# Altium PCB PM12_CFD.PcbDoc (part 4 of 12)
Units mm, origin at the board's own origin, x right, y up, seen from the top; angles counter-clockwise.
Board outline 96.25 x 362.25 mm, 6 copper layers (Top Layer, Mid-Layer 1, Mid-Layer 2, Mid-Layer 3, Mid-Layer 4, Bottom Layer); 1413 components, 2881 nets, 4503 pads, 1682 vias.
Unrouted connection lines stored in the file: 4.
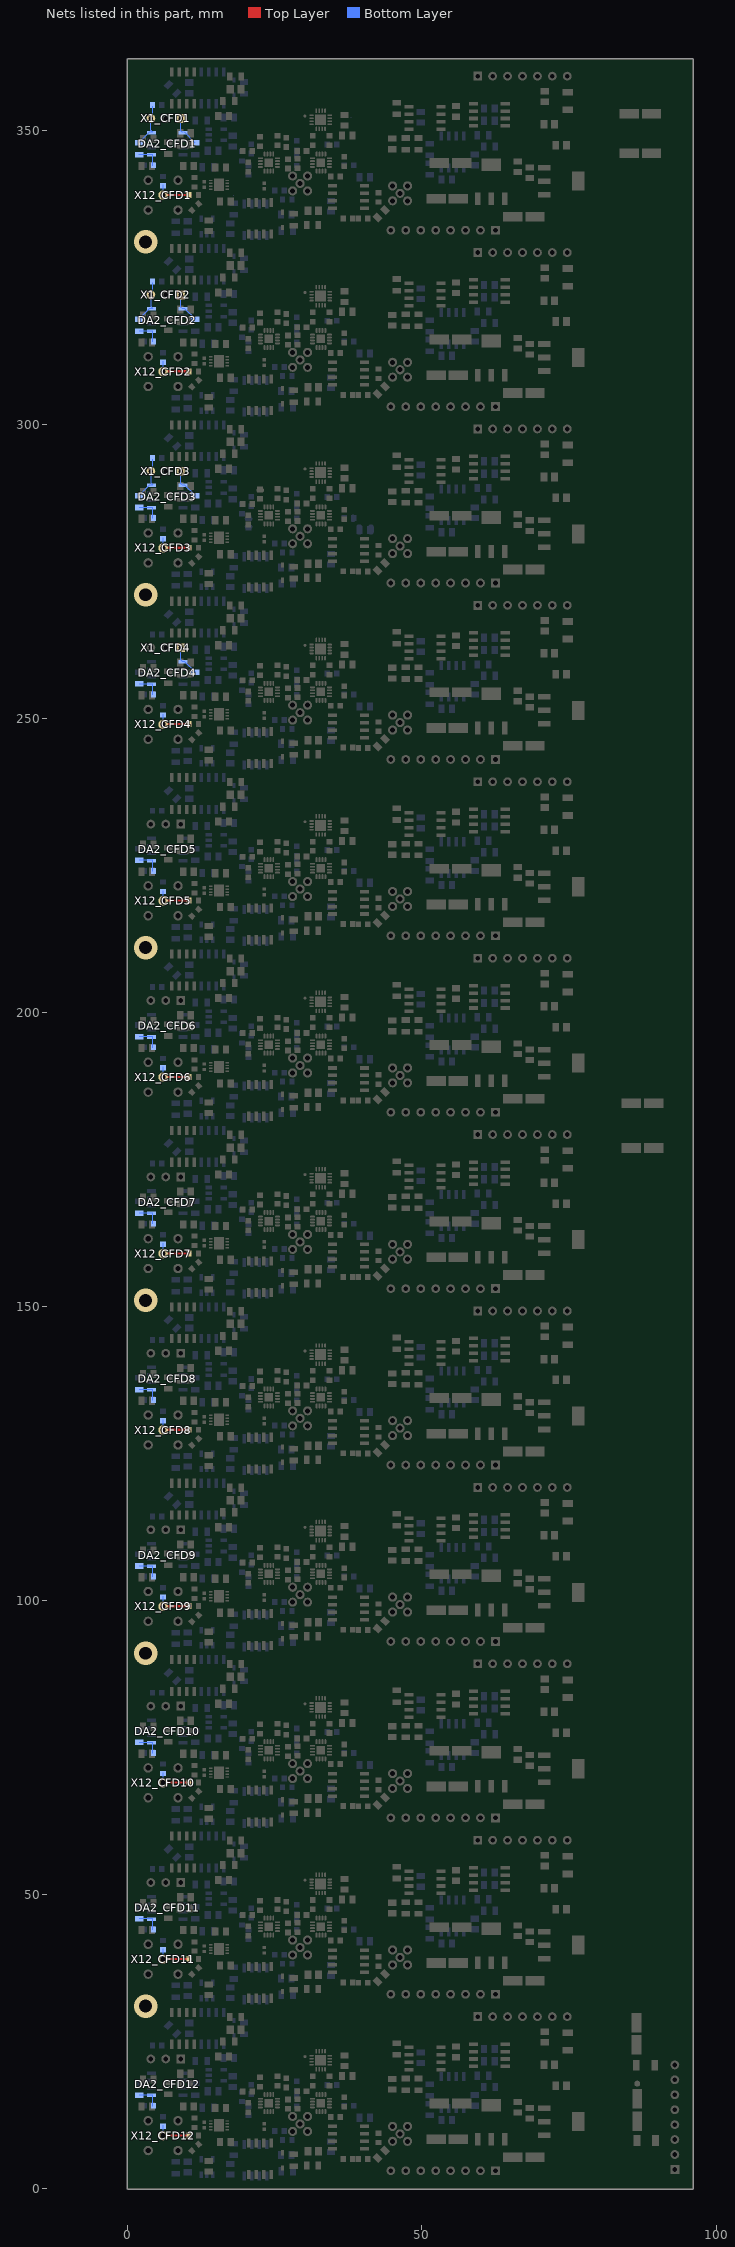
[diagram p8: the nets of this part, all layers, seen from the top]

## Part data (continued)
C4_CFD1 C4_CFD2 C4_CFD3 C4_CFD4 C4_CFD5 C4_CFD6 C4_CFD7 C4_CFD8 C4_CFD9 C4_CFD10 C4_CFD11 C4_CFD12 C13_CFD1 C13_CFD2 C13_CFD3 C13_CFD4 C13_CFD5 C13_CFD6 C13_CFD7 C13_CFD8 C13_CFD9 C13_CFD10 C13_CFD11 C13_CFD12: library part CC0805_33PF_200V_1%_NP0, "Non-polarised capacitor", Case=0805, Manufacturer=GENERIC, Manufacturer1 ComponentHeight=1.15mm, Manufacturer1 Example=AVX, Manufacturer1 Part Number=KGQ21HCG2D330FT, Tolerance=±1%, Voltage=200V, Author="CERN DEM HF", Component Type=Standard, CreateDate=15.04.2024, HelpURL=\\cern.ch\dfs\Applications\Altium\Datasheets\CC0805_NP0_AVX_KGQ.pdf, LatestRevisionDate=15.04.2024, Manufacturer Part Number=CC0805_33PF_200V_1%_NP0, Mounted=Yes, Part Description="SMD Multilayer Chip Ceramic Capacitor", Part Number=CC0805_33PF_200V_1%_NP0, Pin Count=2, Sense=No, SMD=Yes, Socket=No, Status=None, TC=C0G/NP0
C5_CFD1 C5_CFD2 C5_CFD3 C5_CFD4 C5_CFD5 C5_CFD6 C5_CFD7 C5_CFD8 C5_CFD9 C5_CFD10 C5_CFD11 C5_CFD12: library part CC0805_1NF_25V_1%_C0G, "Non-polarised capacitor", Case=0805, Manufacturer=GENERIC, Manufacturer1 ComponentHeight=0.88mm, Manufacturer1 Example=KEMET, Manufacturer1 Part Number=C0805C102F3GACTU, Tolerance=±1%, Voltage=25V, Author="CERN DEM JLC", Component Type=Standard, CreateDate=11.03.2015, HelpURL="\\cern.ch\dfs\Applications\Altium\Datasheets\CC0805_C0G_KEMET_(Commercial Grade).pdf", LatestRevisionDate=11.03.2015, Manufacturer Part Number=CC0805_1NF_25V_1%_C0G, Mounted=Yes, Part Description="SMD Multilayer Chip Ceramic Capacitor", Part Number=CC0805_1NF_25V_1%_C0G, Pin Count=2, Sense=No, SMD=Yes, Socket=No, Status=None, TC=C0G/NP0
C6_CFD1 C6_CFD2 C6_CFD3 C6_CFD4 C6_CFD5 C6_CFD6 C6_CFD7 C6_CFD8 C6_CFD9 C6_CFD10 C6_CFD11 C6_CFD12: library part CC0805_10NF_50V_5%_C0G, "Non-polarised capacitor", Case=0805, Manufacturer=GENERIC, Manufacturer1 ComponentHeight=0.88mm, Manufacturer1 Example=KEMET, Manufacturer1 Part Number=C0805C103J5GACTU, Tolerance=±5%, Voltage=50V, Author="CERN DEM JLC", Component Type=Standard, CreateDate=02.02.2011, HelpURL="\\cern.ch\dfs\Applications\Altium\Datasheets\CC0805_C0G_KEMET_(Commercial Grade).pdf", LatestRevisionDate=22.04.2015, Manufacturer Part Number=CC0805_10NF_50V_5%_C0G, Mounted=Yes, Part Description="SMD Multilayer Chip Ceramic Capacitor", Part Number=CC0805_10NF_50V_5%_C0G, Pin Count=2, Sense=No, SMD=Yes, Socket=No, Status=None, TC=C0G/NP0
C7_CFD1 C7_CFD2 C7_CFD3 C7_CFD4 C7_CFD5 C7_CFD6 C7_CFD7 C7_CFD8 C7_CFD9 C7_CFD10 C7_CFD11 C7_CFD12 C9_CFD1 C9_CFD2 C9_CFD3 C9_CFD4 C9_CFD5 C9_CFD6 C9_CFD7 C9_CFD8 C9_CFD9 C9_CFD10 C9_CFD11 C9_CFD12: library part CC0805_4.7UF_16V_10%_X7R, "Non-polarised capacitor", Case=0805, Manufacturer=GENERIC, Manufacturer1 ComponentHeight=1.35mm, Manufacturer1 Example="TAIYO YUDEN", Manufacturer1 Part Number=EMK212B7475KG-T, Tolerance=±10%, Voltage=16V, Author="CERN DEM JLC", Component Type=Standard, CreateDate=16.09.2014, HelpURL=\\cern.ch\dfs\Applications\Altium\Datasheets\CC0805_X7R_TAIYO-YUDEN_HIGH-VALUE.pdf, LatestRevisionDate=16.09.2014, Manufacturer Part Number=CC0805_4.7UF_16V_10%_X7R, Mounted=Yes, Part Description="SMD Multilayer Chip Ceramic Capacitor", Part Number=CC0805_4.7UF_16V_10%_X7R, Pin Count=2, Sense=No, SMD=Yes, Socket=No, Status=Preferred, TC=X7R
C15_CFD1 C15_CFD2 C15_CFD3 C15_CFD4 C15_CFD5 C15_CFD6 C15_CFD7 C15_CFD8 C15_CFD9 C15_CFD10 C15_CFD11 C15_CFD12: library part CC0805_4.7NF_250V_1%_NP0, "Non-polarised capacitor", Case=0805, Manufacturer=GENERIC, Manufacturer1 ComponentHeight=1.45mm, Manufacturer1 Example=MURATA, Manufacturer1 Part Number=GCM21B5C2E472FX01L, Manufacturer Part Number=CC0805_4.7NF_250V_1%_X7R, Tolerance=±1%, Voltage=250V, Author="CERN DEM HF", Component Type=Standard, CreateDate=15.04.2024, HelpURL=\\cern.ch\dfs\Applications\Altium\Datasheets\CC0805_MURATA_GCM21B5C2E472FX01L.pdf, LatestRevisionDate=15.04.2024, Mounted=Yes, Part Description="SMD Multilayer Chip Ceramic Capacitor", Part Number=CC0805_4.7NF_250V_1%_NP0, Pin Count=2, Sense=No, SMD=Yes, Socket=No, Status=None, TC=NP0
C16_CFD1 C16_CFD2 C16_CFD3 C16_CFD4 C16_CFD5 C16_CFD6 C16_CFD7 C16_CFD8 C16_CFD9 C16_CFD10 C16_CFD11 C16_CFD12 C17_CFD1 C17_CFD2 C17_CFD3 C17_CFD4 C17_CFD5 C17_CFD6 C17_CFD7 C17_CFD8 C17_CFD9 C17_CFD10 C17_CFD11 C17_CFD12: library part CC0805_33PF_50V_5%_NP0, "Non-polarised capacitor", Case=0805, Manufacturer=GENERIC, Manufacturer1 ComponentHeight=1.35mm, Manufacturer1 Example=PHYCOMP, Manufacturer1 Part Number=223886115339, Tolerance=±5%, Voltage=50V, Author="CERN DEM JLC", Component Type=Standard, CreateDate=03.12.2007, HelpURL=\\cern.ch\dfs\Applications\Altium\Datasheets\CC0805_NP0_PHYCOMP.pdf, LatestRevisionDate=03.12.2007, Manufacturer Part Number=CC0805_33PF_50V_5%_NP0, Mounted=Yes, Part Description="SMD Multilayer Chip Ceramic Capacitor", Part Number=CC0805_33PF_50V_5%_NP0, Pin Count=2, Sense=No, SMD=Yes, Socket=No, Status=Preferred, TC=C0G/NP0
C18_CFD1 C18_CFD2 C18_CFD3 C18_CFD4 C18_CFD5 C18_CFD6 C18_CFD7 C18_CFD8 C18_CFD9 C18_CFD10 C18_CFD11 C18_CFD12 C23_CFD1 C23_CFD2 C23_CFD3 C23_CFD4 C23_CFD5 C23_CFD6 C23_CFD7 C23_CFD8 C23_CFD9 C23_CFD10 C23_CFD11 C23_CFD12 C25_CFD1 C25_CFD2 C25_CFD3 C25_CFD4 C25_CFD5 C25_CFD6 C25_CFD7 C25_CFD8 C25_CFD9 C25_CFD10 C25_CFD11 C25_CFD12 C27_CFD1 C27_CFD2 C27_CFD3 C27_CFD4 C27_CFD5 C27_CFD6 C27_CFD7 C27_CFD8 C27_CFD9 C27_CFD10 C27_CFD11 C27_CFD12 C28_CFD1 C28_CFD2 C28_CFD3 C28_CFD4 C28_CFD5 C28_CFD6 C28_CFD7 C28_CFD8 C28_CFD9 C28_CFD10 C28_CFD11 C28_CFD12 C31_CFD1 C31_CFD2 C31_CFD3 C31_CFD4 C31_CFD5 C31_CFD6 C31_CFD7 C31_CFD8 C31_CFD9 C31_CFD10 C31_CFD11 C31_CFD12 C32_CFD1 C32_CFD2 C32_CFD3 C32_CFD4 C32_CFD5 C32_CFD6 C32_CFD7 C32_CFD8 C32_CFD9 C32_CFD10 C32_CFD11 C32_CFD12 C33_CFD1 C33_CFD2 C33_CFD3 C33_CFD4 C33_CFD5 C33_CFD6 C33_CFD7 C33_CFD8 C33_CFD9 C33_CFD10 C33_CFD11 C33_CFD12 C35_CFD1 C35_CFD2 C35_CFD3 C35_CFD4 C35_CFD5 C35_CFD6 C35_CFD7 C35_CFD8 C35_CFD9 C35_CFD10 C35_CFD11 C35_CFD12 C36_CFD1 C36_CFD2 C36_CFD3 C36_CFD4 C36_CFD5 C36_CFD6 C36_CFD7 C36_CFD8 C36_CFD9 C36_CFD10 C36_CFD11 C36_CFD12 C39_CFD1 C39_CFD2 C39_CFD3 C39_CFD4 C39_CFD5 C39_CFD6 C39_CFD7 C39_CFD8 C39_CFD9 C39_CFD10 C39_CFD11 C39_CFD12 C40_CFD1 C40_CFD2 C40_CFD3 C40_CFD4 C40_CFD5 C40_CFD6 C40_CFD7 C40_CFD8 C40_CFD9 C40_CFD10 C40_CFD11 C40_CFD12: library part CC0603_220NF_25V_10%_X7R, "Non-polarised capacitor", Case=0603, Manufacturer=GENERIC, Manufacturer1 ComponentHeight=0.87mm, Manufacturer1 Example=KEMET, Manufacturer1 Part Number=C0603C224K3RACTU, Tolerance=±10%, Voltage=25V, Author="CERN DEM JLC", Component Type=Standard, CreateDate=29.10.2014, HelpURL=\\cern.ch\dfs\Applications\Altium\Datasheets\CC0603_X7R_KEMET.pdf, LatestRevisionDate=29.10.2014, Manufacturer Part Number=CC0603_220NF_25V_10%_X7R, Mounted=Yes, Part Description="SMD Multilayer Chip Ceramic Capacitor", Part Number=CC0603_220NF_25V_10%_X7R, Pin Count=2, Sense=No, SMD=Yes, Socket=No, Status=Preferred, TC=X7R
C20 C21 C34 C42_CFD1 C42_CFD2 C42_CFD3 C42_CFD4 C42_CFD5 C42_CFD6 C42_CFD7 C42_CFD8 C42_CFD9 C42_CFD10 C42_CFD11 C42_CFD12 C44 C45 C46 C135_CFD1 C135_CFD2 C135_CFD3 C135_CFD4 C135_CFD5 C135_CFD6 C135_CFD7 C135_CFD8 C135_CFD9 C135_CFD10 C135_CFD11 C135_CFD12 C146_CFD1 C146_CFD2 C146_CFD3 C146_CFD4 C146_CFD5 C146_CFD6 C146_CFD7 C146_CFD8 C146_CFD9 C146_CFD10 C146_CFD11 C146_CFD12: library part CAE530-610_47UF_16V_20%, "Polarised capacitor", Case=C, Manufacturer=CHEMI-CON, Manufacturer Part Number=HHXD160ARA470ME61G, Tolerance=±20%, Voltage=16V, Author="CERN DEM HF", Component Type=Standard, ComponentHeight=6.1mm, CreateDate=15.04.2024, HelpURL=\\cern.ch\dfs\Applications\Altium\Datasheets\CAE_CHIMI-CON_HXD.pdf, LatestRevisionDate=15.04.2024, Mounted=Yes, Part Description="Conductive Polymer Hybrid Aluminum Electrolytic Capacitor", Part Number=CAE530-610_47UF_16V_20%, Pin Count=2, Sense=No, SMD=Yes, Socket=No, Status="Not Recommended"
C22_CFD1 C22_CFD2 C22_CFD3 C22_CFD4 C22_CFD5 C22_CFD6 C22_CFD7 C22_CFD8 C22_CFD9 C22_CFD10 C22_CFD11 C22_CFD12: library part CC0805_15NF_50V_10%_X7R, "Non-polarised capacitor", Case=0805, Manufacturer=GENERIC, Manufacturer1 ComponentHeight=1.35mm, Manufacturer1 Example=PHYCOMP, Manufacturer1 Part Number=223858615638, Tolerance=±10%, Voltage=50V, Author="CERN DEM JLC", Component Type=Standard, CreateDate=03.12.2007, HelpURL=\\cern.ch\dfs\Applications\Altium\Datasheets\CC0805_X7R_PHYCOMP.pdf, LatestRevisionDate=03.12.2007, Manufacturer Part Number=CC0805_15NF_50V_10%_X7R, Mounted=Yes, Part Description="SMD Multilayer Chip Ceramic Capacitor", Part Number=CC0805_15NF_50V_10%_X7R, Pin Count=2, Sense=No, SMD=Yes, Socket=No, Status=Preferred, TC=X7R
C47_CFD1 C47_CFD2 C47_CFD3 C47_CFD4 C47_CFD5 C47_CFD6 C47_CFD7 C47_CFD8 C47_CFD9 C47_CFD10 C47_CFD11 C47_CFD12: library part CC1206_4.7UF_25V_10%_X7R, "Non-polarised capacitor", Case=1206, Manufacturer=GENERIC, Manufacturer1 ComponentHeight=1.8mm, Manufacturer1 Example=KEMET, Manufacturer1 Part Number=C1206C475K3RAC, Tolerance=±10%, Voltage=25V, Author="CERN DEM WB", Component Type=Standard, CreateDate=25.07.2018, HelpURL=\\cern.ch\dfs\Applications\Altium\Datasheets\CC1206_X7R_KEMET.pdf, LatestRevisionDate=25.07.2018, Manufacturer Part Number=CC1206_4.7UF_25V_10%_X7R, Mounted=Yes, Part Description="SMD Multilayer Chip Ceramic Capacitor", Part Number=CC1206_4.7UF_25V_10%_X7R, Pin Count=2, Sense=No, SMD=Yes, Socket=No, Status=Preferred, TC=X7R
DA1_CFD1 DA1_CFD2 DA1_CFD3 DA1_CFD4 DA1_CFD5 DA1_CFD6 DA1_CFD7 DA1_CFD8 DA1_CFD9 DA1_CFD10 DA1_CFD11 DA1_CFD12: "200mA, Negative-Output, Low-Dropout Linear Regulator", Case=SOT23-5, Manufacturer=MAXIM, Manufacturer Part Number=MAX1735EUK30, Author="CERN DEM JLC", Bonding=No, Component Type=Standard, ComponentHeight=1.45mm, CreateDate=17.02.2010, Device=MAX1735EUK30+T, HelpURL=\\cern.ch\dfs\Applications\Altium\Datasheets\MAX1735EUK30+T.pdf, LatestRevisionDate=04.04.2022, Mounted=Yes, PackageDescription="SOT23, 0.95mm Pitch; 5 Pin, 1.60mm W X 2.90mm L X 1.45mm H body, IPC Medium Density", Part Description="3V, 200mA, Negative-Output, Low-Dropout Linear Regulator", Part Number=MAX1735EUK30+T, Pin Count=5, PressFit=No, Sense=No, SMD=Yes, Socket=No
DA2_CFD1 DA2_CFD2 DA2_CFD3 DA2_CFD4 DA2_CFD5 DA2_CFD6 DA2_CFD7 DA2_CFD8 DA2_CFD9 DA2_CFD10 DA2_CFD11 DA2_CFD12: "Differential Amplifier", Case=SOIC8, Manufacturer="ANALOG DEVICES", Author="CERN DEM JLC", Bonding=No, Component Type=Standard, ComponentHeight=1.75mm, CreateDate=24.11.2008, Device=AD8138AR, HelpURL=\\cern.ch\dfs\Applications\Altium\Datasheets\AD8138AR.pdf, LatestRevisionDate=24.11.2008, Manufacturer Part Number=AD8138AR, Mounted=Yes, PackageDescription="SOIC 8, Pitch 1.27mm - Body 4x5mm, IPC Medium Density", Part Description="Low Distortion Differential ADC Driver", Part Number=AD8138AR, Pin Count=7, PressFit=No, Sense=No, SMD=Yes, Socket=No, Status="Not recommended"
DA3_CFD1 DA3_CFD2 DA3_CFD3 DA3_CFD4 DA3_CFD5 DA3_CFD6 DA3_CFD7 DA3_CFD8 DA3_CFD9 DA3_CFD10 DA3_CFD11 DA3_CFD12: "150mA Low-Noise Low-Dropout Regulator Whit Shutdown", Case=SOT23-5, Manufacturer="TEXAS INSTRUMENTS", Author="CERN DEM HF", Bonding=No, Component Type=Standard, ComponentHeight=1.45mm, CreateDate=16.04.2024, Device=LP2985AIM5-2.5, HelpURL=\\cern.ch\dfs\Applications\Altium\Datasheets\LP2985AIM5.pdf, LatestRevisionDate=16.04.2024, Manufacturer Part Number=LP2985AIM5-2.5, Mounted=Yes, PackageDescription="SOT23, 0.95mm Pitch; 5 Pin, 1.60mm W X 2.90mm L X 1.45mm H body, IPC Medium Density", Part Description="2.5V, 150mA Low-Noise Low-Dropout Regulator Whit Shutdown", Part Number=LP2985AIM5-2.5, Pin Count=5, PressFit=No, Sense=No, SMD=Yes, Socket=No
DA4_CFD1 DA4_CFD2 DA4_CFD3 DA4_CFD4 DA4_CFD5 DA4_CFD6 DA4_CFD7 DA4_CFD8 DA4_CFD9 DA4_CFD10 DA4_CFD11 DA4_CFD12 DA20_CFD1 DA20_CFD2 DA20_CFD3 DA20_CFD4 DA20_CFD5 DA20_CFD6 DA20_CFD7 DA20_CFD8 DA20_CFD9 DA20_CFD10 DA20_CFD11 DA20_CFD12: "Operational Amplifier", Case=SOIC8, Manufacturer="ANALOG DEVICES", Manufacturer Part Number=AD8671AR, Author="CERN DEM JLC", Bonding=No, Component Type=Standard, ComponentHeight=1.75mm, CreateDate=17.06.2014, Device=AD8671ARZ, HelpURL=\\cern.ch\dfs\Applications\Altium\Datasheets\AD8671ARZ.pdf, LatestRevisionDate=31.03.2022, Mounted=Yes, PackageDescription="SOIC 8, Pitch 1.27mm - Body 4x5mm, IPC Medium Density", Part Description="Precision, Very Low Noise, Low Input Bias Current Operational Amplifier", Part Number=AD8671ARZ, Pin Count=8, PressFit=No, Sense=No, SMD=Yes, Socket=No
DA5_CFD1 DA5_CFD2 DA5_CFD3 DA5_CFD4 DA5_CFD5 DA5_CFD6 DA5_CFD7 DA5_CFD8 DA5_CFD9 DA5_CFD10 DA5_CFD11 DA5_CFD12 DA6_CFD1 DA6_CFD2 DA6_CFD3 DA6_CFD4 DA6_CFD5 DA6_CFD6 DA6_CFD7 DA6_CFD8 DA6_CFD9 DA6_CFD10 DA6_CFD11 DA6_CFD12: "Operational Amplifier", Case=SOIC8, Manufacturer="ANALOG DEVICES", Author="CERN DEM HF", Bonding=No, Component Type=Standard, ComponentHeight=1.75mm, CreateDate=15.04.2024, Device=AD8055AR, HelpURL=\\cern.ch\dfs\Applications\Altium\Datasheets\AD8055.pdf, LatestRevisionDate=15.04.2024, Manufacturer Part Number=AD8055AR, Mounted=Yes, PackageDescription="SOIC 8, Pitch 1.27mm - Body 4x5mm, IPC Medium Density", Part Description="Low Cost, 300 MHz Voltage Feedback Amplifier", Part Number=AD8055AR, Pin Count=8, PressFit=No, Sense=No, SMD=Yes, Socket=No
DA7_CFD1 DA7_CFD2 DA7_CFD3 DA7_CFD4 DA7_CFD5 DA7_CFD6 DA7_CFD7 DA7_CFD8 DA7_CFD9 DA7_CFD10 DA7_CFD11 DA7_CFD12: "Ultra-Low Noise, High-Speed Operational Amplifier with Shutdown", Case=SON8, Manufacturer="TEXAS INSTRUMENTS", Author="CERN DEM HF", Bonding=No, Component Type=Standard, ComponentHeight=0.8mm, CreateDate=12.06.2023, Device=LMH6629SDE, HelpURL=\\cern.ch\dfs\Applications\Altium\Datasheets\LMH6629.pdf, LatestRevisionDate=12.06.2023, Manufacturer Part Number=LMH6629SDE, Mounted=Yes, PackageDescription="TEXAS Case Style NGQ(WSON-N9), SON, 0.50mm Pitch, Square; 8 Pin, 3.00mm L X 3.00mm W X 0.80mm H body (w/Thermal Tab 1.70 X 2.10mm)", Part Description="Ultra-Low Noise, High-Speed Operational Amplifier with Shutdown", Part Number=LMH6629SDE, Pin Count=9, PressFit=No, Sense=No, SMD=Yes, Socket=No
DA8_CFD1 DA8_CFD2 DA8_CFD3 DA8_CFD4 DA8_CFD5 DA8_CFD6 DA8_CFD7 DA8_CFD8 DA8_CFD9 DA8_CFD10 DA8_CFD11 DA8_CFD12: "Operational Amplifier", Case=SOIC8, Manufacturer="TEXAS INSTRUMENTS", Author="CERN DEM HF", Bonding=No, Component Type=Standard, ComponentHeight=1.1mm, CreateDate=06.05.2024, Device=THS3201D, HelpURL=\\cern.ch\dfs\Applications\Altium\Datasheets\THS3201.pdf, LatestRevisionDate=06.05.2024, Manufacturer Part Number=THS3201D, Mounted=Yes, PackageDescription="SOIC 8, Pitch 1.27mm - Body 4x5mm, IPC Medium Density", Part Description="1.8GHz, Low Distorsion, Current-Feedback Amplifier", Part Number=THS3201D, Pin Count=9, PressFit=No, Sense=No, SMD=Yes, Socket=No, Status="Not Recommended", Status Comment="Not Recommended for New Design"
DA9_CFD1 DA9_CFD2 DA9_CFD3 DA9_CFD4 DA9_CFD5 DA9_CFD6 DA9_CFD7 DA9_CFD8 DA9_CFD9 DA9_CFD10 DA9_CFD11 DA9_CFD12 DA10_CFD1 DA10_CFD2 DA10_CFD3 DA10_CFD4 DA10_CFD5 DA10_CFD6 DA10_CFD7 DA10_CFD8 DA10_CFD9 DA10_CFD10 DA10_CFD11 DA10_CFD12: "Ultrafast SiGe Voltage Comparator", Case=QFN16, Manufacturer="ANALOG DEVICES", Manufacturer Part Number=ADCMP582BCP, Author="CERN DEM MR", Bonding=No, Component Type=Standard, ComponentHeight=0.8mm, CreateDate=23.01.2018, Device=ADCMP582BCPZ, HelpURL=\\cern.ch\dfs\Applications\Altium\Datasheets\ADCMP582BCPZ.pdf, LatestRevisionDate=31.03.2022, Mounted=Yes, PackageDescription="QFN, 0.50mm Pitch, Square; 16 Pin, 3.00mm L X 3.00mm W X 0.80mm H body (w/Thermal Tab 1.45 X 1.45mm), IPC Medium Density", Part Description="Ultrafast SiGe Voltage Comparator", Part Number=ADCMP582BCPZ, Pin Count=17, PressFit=No, Sense=No, SMD=Yes, Socket=No
DA11_CFD1 DA11_CFD2 DA11_CFD3 DA11_CFD4 DA11_CFD5 DA11_CFD6 DA11_CFD7 DA11_CFD8 DA11_CFD9 DA11_CFD10 DA11_CFD11 DA11_CFD12: "3-Terminal Regulator 1=IN 2=GND 3=OUT 4=GND", Case=SOT223, Manufacturer="LINEAR TECHNOLOGY", Author="CERN DEM HF", Bonding=No, Component Type=Standard, ComponentHeight=1.8mm, CreateDate=16.04.2024, Device=LT1129CST-5, HelpURL=\\cern.ch\dfs\Applications\Altium\Datasheets\LT1129.pdf, LatestRevisionDate=16.04.2024, Manufacturer Part Number=LT1129CST-5, Mounted=Yes, PackageDescription="SOT223, 2.30mm Pitch; 4 Pin, 3.70mm W X 6.70mm L X 1.80mm H body, IPC Medium Density", Part Description="5V, 700mA Micropower Low Dropout Regulator with Shutdown", Part Number=LT1129CST-5, Pin Count=4, PressFit=No, Sense=No, SMD=Yes, Socket=No
DA12_CFD1 DA12_CFD2 DA12_CFD3 DA12_CFD4 DA12_CFD5 DA12_CFD6 DA12_CFD7 DA12_CFD8 DA12_CFD9 DA12_CFD10 DA12_CFD11 DA12_CFD12: "3-Terminal Regulator 1=OUT 2=IN 3=GND 4=IN", Case=SOT223, Manufacturer="LINEAR TECHNOLOGY", Author="CERN DEM HF", Bonding=No, Component Type=Standard, ComponentHeight=1.8mm, CreateDate=16.04.2024, Device=LT1175CST-5, HelpURL=\\cern.ch\dfs\Applications\Altium\Datasheets\LT1175.pdf, LatestRevisionDate=16.04.2024, Manufacturer Part Number=LT1175CST-5, Mounted=Yes, PackageDescription="SOT223, 2.30mm Pitch; 4 Pin, 3.70mm W X 6.70mm L X 1.80mm H body, IPC Medium Density", Part Description="5V 500mA Negative Low Dropout Micropower Regulator", Part Number=LT1175CST-5, Pin Count=4, PressFit=No, Sense=No, SMD=Yes, Socket=No
DA13_CFD1 DA13_CFD2 DA13_CFD3 DA13_CFD4 DA13_CFD5 DA13_CFD6 DA13_CFD7 DA13_CFD8 DA13_CFD9 DA13_CFD10 DA13_CFD11 DA13_CFD12: "5V, 500mA Low-Dropout Negative Linear Regulator", Case=SOIC8, Manufacturer="TEXAS INSTRUMENTS", Author="CERN DEM BR", Bonding=No, Component Type=Standard, ComponentHeight=1.75mm, CreateDate=20.06.2019, Device=UCC284DP-ADJ, HelpURL=\\cern.ch\dfs\Applications\Altium\Datasheets\UCC284DP-ADJ.pdf, LatestRevisionDate=20.06.2019, Manufacturer Part Number=UCC284DP-ADJ, Mounted=Yes, PackageDescription="SOIC 8, Pitch 1.27mm, Body 4x5mm, IPC Medium Density", Part Description="5V, 500mA Low-Dropout Negative Linear Regulator, Adjustable Output", Part Number=UCC284DP-ADJ, Pin Count=8, PressFit=No, Sense=No, SMD=Yes, Socket=No
DD2_CFD1 DD2_CFD2 DD2_CFD3 DD2_CFD4 DD2_CFD5 DD2_CFD6 DD2_CFD7 DD2_CFD8 DD2_CFD9 DD2_CFD10 DD2_CFD11 DD2_CFD12: "2.5 V/3.3 V/5.0 V Differential Data/Clock D Flip-Flop with Reset", Case=QFN16, Manufacturer="ON SEMICONDUCTOR", Manufacturer Part Number=NB4L52MN, Author="CERN DEM MR", Bonding=No, Component Type=Standard, ComponentHeight=1mm, CreateDate=15.01.2016, Device=NB4L52MNG, HelpURL=\\cern.ch\dfs\Applications\Altium\Datasheets\NB4L52MNG.pdf, LatestRevisionDate=04.04.2022, Mounted=Yes, PackageDescription="QFN, 0.50mm Pitch, Square; 16 Pin, 3.00mm L X 3.00mm W X 1.00mm H body (w/Thermal Tab 1.85 X 1.85mm), IPC Medium Density", Part Description="2.5 V/3.3 V/5.0 V Differential Data/Clock D Flip-Flop with Reset", Part Number=NB4L52MNG, Pin Count=16, PressFit=No, Sense=No, SMD=Yes, Socket=No
DD8_CFD1 DD8_CFD2 DD8_CFD3 DD8_CFD4 DD8_CFD5 DD8_CFD6 DD8_CFD7 DD8_CFD8 DD8_CFD9 DD8_CFD10 DD8_CFD11 DD8_CFD12: "3.3V/5V ECL D Flip-Flop with Reset and Differential Clock", Case=SOIC8, Manufacturer="ON SEMICONDUCTOR", Author="CERN DEM HF", Bonding=No, Component Type=Standard, ComponentHeight=1.75mm, CreateDate=25.04.2024, Device=MC10EP51D, HelpURL=\\cern.ch\dfs\Applications\Altium\Datasheets\MC10EP51.pdf, LatestRevisionDate=25.04.2024, Manufacturer Part Number=MC10EP51D, Mounted=Yes, PackageDescription="SOIC 8, Pitch 1.27mm - Body 4x5mm, IPC Medium Density", Part Description="3.3V/5V ECL D Flip-Flop with Reset and Differential Clock", Part Number=MC10EP51D, Pin Count=8, PressFit=No, Sense=No, SMD=Yes, Socket=No
DD9_CFD1 DD9_CFD2 DD9_CFD3 DD9_CFD4 DD9_CFD5 DD9_CFD6 DD9_CFD7 DD9_CFD8 DD9_CFD9 DD9_CFD10 DD9_CFD11 DD9_CFD12: "3.3V / 5V ECL Differential Receiver/Driver", Case=SOIC8, Manufacturer="ON SEMICONDUCTOR", Author="CERN DEM HF", Bonding=No, Component Type=Standard, ComponentHeight=1.75mm, CreateDate=25.04.2024, Device=MC10EP16D, HelpURL=\\cern.ch\dfs\Applications\Altium\Datasheets\MC10EP16.pdf, LatestRevisionDate=25.04.2024, Manufacturer Part Number=MC10EP16D, Mounted=Yes, PackageDescription="SOIC 8, Pitch 1.27mm - Body 4x5mm, IPC Medium Density", Part Description="3.3V/5V ECL Differential Receiver/Driver", Part Number=MC10EP16D, Pin Count=8, PressFit=No, Sense=No, SMD=Yes, Socket=No
L1_CFD1 L1_CFD2 L1_CFD3 L1_CFD4 L1_CFD5 L1_CFD6 L1_CFD7 L1_CFD8 L1_CFD9 L1_CFD10 L1_CFD11 L1_CFD12 L8_CFD1 L8_CFD2 L8_CFD3 L8_CFD4 L8_CFD5 L8_CFD6 L8_CFD7 L8_CFD8 L8_CFD9 L8_CFD10 L8_CFD11 L8_CFD12 L9_CFD1 L9_CFD2 L9_CFD3 L9_CFD4 L9_CFD5 L9_CFD6 L9_CFD7 L9_CFD8 L9_CFD9 L9_CFD10 L9_CFD11 L9_CFD12: library part IND0805_TDK_MPZ2012S221A, Case=0805, Manufacturer=TDK, Manufacturer Part Number=MPZ2012S221A, Power=3A, Resistance=0.04R, Tolerance=±25%, Author="CERN DEM HF", Component Type=Standard, ComponentHeight=1.05mm, CreateDate=04.10.2021, HelpURL=\\cern.ch\dfs\Applications\Altium\Datasheets\IND0805_TDK_MPZ2012.pdf, LatestRevisionDate=04.10.2021, Mounted=Yes, Part Description="SMT Chip Bead for General Power Line (MPZ Series)", Part Number=IND0805_TDK_MPZ2012S221A, Pin Count=2, Sense=No, SMD=Yes, Socket=No
L2 L4: library part IND1206_MURATA_BLM31KN121SN1, Case=1206, Manufacturer=MURATA, Manufacturer Part Number=BLM31KN121SN1, Power=6A, Resistance=0.009R, Tolerance=±25%, Author="CERN DEM HF", Component Type=Standard, ComponentHeight=1.8mm, CreateDate=05.01.2022, HelpURL="\\cern.ch\dfs\Applications\Altium\Datasheets\IND1206_MURATA_ BLM31KN_SN.pdf", LatestRevisionDate=05.01.2022, Mounted=Yes, Part Description="SMD Chip Ferrite Bead, BLM31KN_SN Series", Part Number=IND1206_MURATA_BLM31KN121SN1, Pin Count=2, Sense=No, SMD=Yes, Socket=No
L3_CFD1 L3_CFD2 L3_CFD3 L3_CFD4 L3_CFD5 L3_CFD6 L3_CFD7 L3_CFD8 L3_CFD9 L3_CFD10 L3_CFD11 L3_CFD12 L5_CFD1 L5_CFD2 L5_CFD3 L5_CFD4 L5_CFD5 L5_CFD6 L5_CFD7 L5_CFD8 L5_CFD9 L5_CFD10 L5_CFD11 L5_CFD12 L6_CFD1 L6_CFD2 L6_CFD3 L6_CFD4 L6_CFD5 L6_CFD6 L6_CFD7 L6_CFD8 L6_CFD9 L6_CFD10 L6_CFD11 L6_CFD12 L7_CFD1 L7_CFD2 L7_CFD3 L7_CFD4 L7_CFD5 L7_CFD6 L7_CFD7 L7_CFD8 L7_CFD9 L7_CFD10 L7_CFD11 L7_CFD12: library part IND0603_MURATA_BLM18PG121SN1D, Case=0603, Manufacturer=MURATA, Manufacturer Part Number=BLM18PG121SN1D, Power=2A, Resistance=0.05R, Author="CERN DEM BC", Component Type=Standard, ComponentHeight=0.95mm, CreateDate=27.07.2015, HelpURL=\\cern.ch\dfs\Applications\Altium\Datasheets\IND0603_MURATA_BLM18P.pdf, LatestRevisionDate=25.10.2018, Mounted=Yes, Part Description="SMD EMIFIL Chip Ferrite Bead", Part Number=IND0603_MURATA_BLM18PG121SN1D, Pin Count=2, Sense=No, SMD=Yes, Socket=No